# Altium PCB CM4-Main.PcbDoc (continued)
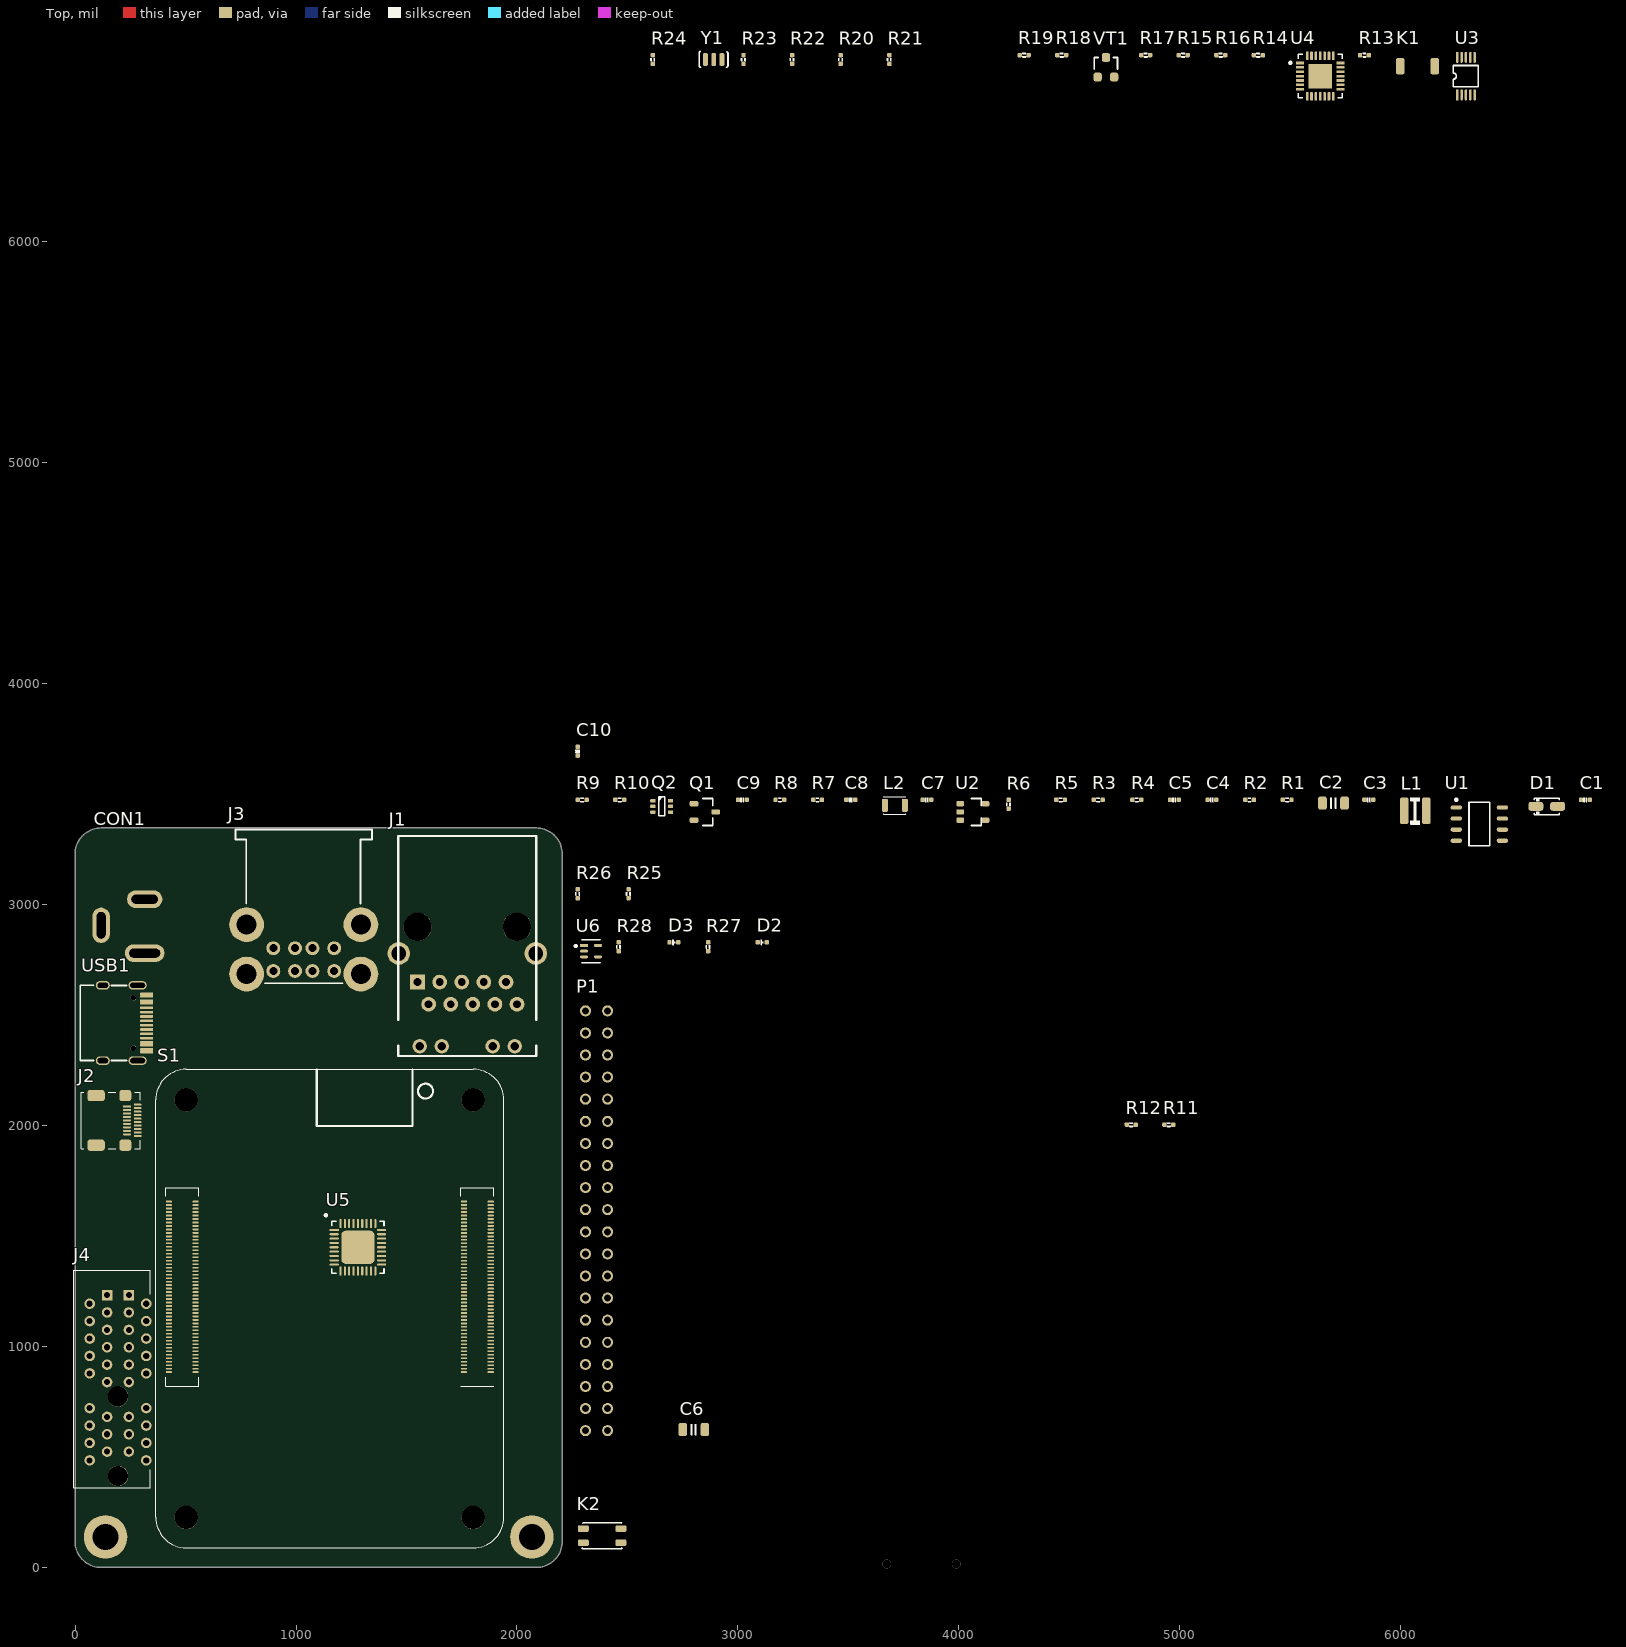
[diagram p0: Top view]
## Classes and differential pairs
differential pair class DIFF_USB2.0: USB_RPi
differential pair class DIFF_90Ohm_USB2.0: USB_RPi
differential pair class DIFF_PCIe: PCIE_CLK PCIE_RX PCIE_TX
differential pair class DIFF_MIPI: CAM0_C CAM0_D0 CAM0_D1 CAM1_C CAM1_D0 CAM1_D1 CAM1_D2 CAM1_D3
differential pair class DIFF_LAN_GB: TRD0 TRD1 TRD2 TRD3
differential pair class DIFF_HDMI: HDMI0_CLK HDMI0_TX0 HDMI0_TX1 HDMI0_TX2 HDMI1_CLK HDMI1_TX0 HDMI1_TX1 HDMI1_TX2
differential pair class DIFF_100Ohm_MIPI: CAM0_C CAM0_D0 CAM0_D1 CAM1_C CAM1_D0 CAM1_D1 CAM1_D2 CAM1_D3
differential pair class DIFF_100Ohm_HDMI: HDMI0_CLK HDMI0_TX0 HDMI0_TX1 HDMI0_TX2 HDMI1_CLK HDMI1_TX0 HDMI1_TX1 HDMI1_TX2
differential pair class DIFF_100Ohm_GBE: TRD0 TRD1 TRD2 TRD3
differential pair class DIFF_90Ohm_PCIe: PCIE_CLK PCIE_RX PCIE_TX
net class USB2.0_480Mbps: USB2_N USB_RPi_N USB_RPi_P
net class PCIe_5Gbps: PCIE_CLK_N PCIE_CLK_P PCIE_RX_N PCIE_RX_P PCIE_TX_N PCIE_TX_P
net class MIPI_1Gbps: CAM0_C_N CAM0_C_P CAM0_D0_N CAM0_D0_P CAM0_D1_N CAM0_D1_P CAM1_C_N CAM1_C_P CAM1_D0_N CAM1_D0_P CAM1_D1_N CAM1_D1_P CAM1_D2_N CAM1_D2_P CAM1_D3_N CAM1_D3_P
net class HDMI_18Gbps: HDMI0_CLK_N HDMI0_CLK_P HDMI0_TX0_N HDMI0_TX0_P HDMI0_TX1_N HDMI0_TX1_P HDMI0_TX2_N HDMI0_TX2_P HDMI1_CLK_P HDMI1_TX0_N HDMI1_TX1_N HDMI1_TX2_N
net class GBE_1Gbps: TRD0_P TRD1_N TRD1_P TRD2_N TRD2_P TRD3_N TRD3_P
differential pair USB_RPi: +USB_RPi_P -USB_RPi_N
differential pair TRD3: +TRD3_P -TRD3_N
differential pair TRD2: +TRD2_P -TRD2_N
differential pair TRD1: +TRD1_P -TRD1_N
differential pair TRD0: +TRD0_P -TRD0_N
differential pair PCIE_TX: +PCIE_TX_P -PCIE_TX_N
differential pair PCIE_RX: +PCIE_RX_P -PCIE_RX_N
differential pair PCIE_CLK: +PCIE_CLK_P -PCIE_CLK_N
differential pair HDMI0_TX2: +HDMI0_TX2_P -HDMI0_TX2_N
differential pair HDMI0_TX1: +HDMI0_TX1_P -HDMI0_TX1_N
differential pair HDMI0_TX0: +HDMI0_TX0_P -HDMI0_TX0_N
differential pair HDMI0_CLK: +HDMI0_CLK_P -HDMI0_CLK_N
differential pair CAM1_D3: +CAM1_D3_P -CAM1_D3_N
differential pair CAM1_D2: +CAM1_D2_P -CAM1_D2_N
differential pair CAM1_D1: +CAM1_D1_P -CAM1_D1_N
differential pair CAM1_D0: +CAM1_D0_P -CAM1_D0_N
differential pair CAM1_C: +CAM1_C_P -CAM1_C_N
differential pair CAM0_D1: +CAM0_D1_P -CAM0_D1_N
differential pair CAM0_D0: +CAM0_D0_P -CAM0_D0_N
differential pair CAM0_C: +CAM0_C_P -CAM0_C_N

## Components (designator, comment, footprint, x,y, rotation, side; value= is the part's Value field where it differs from the comment)
C1 "0.1uF" CAP_0402 6835,3475 r0 top value=0.1u
C2 "100uF" 1206-CAP 5695,3460 r0 top value=0.1u
C3 "0.1uF" CAP_0402 5855,3475 r0 top value=0.1u
C4 "0.1uF" CAP_0402 5145,3475 r0 top value=0.1u
C5 "0.1uF" CAP_0402 4975,3475 r0 top value=0.1u
C6 "100uF" 1206-CAP 2800,625 r0 top value=0.1u
C7 "10uF" CAP_0402 3855,3475 r0 top value=0.1u
C8 "10uF" CAP_0402 3510,3475 r0 top value=0.1u
C9 "10uF" CAP_0402 3020,3475 r0 top value=0.1u
C10 "10uF" CAP_0402 2275,3695 r90 top value=0.1u
CON1 "PowerJack_2.5" KLD_0202 315,3320.28 r270 top
D1 "MBR140SFT1G" DIOM2717X10N 6660,3445 r0 top
D2 "color?" LED_0402_GREEN 3110,2830 r0 top
D3 "color?" LED_0402_RED 2710,2830 r0 top
J1 "WE_7499110124" GE-SOCKET 1775,2629.92 r0 top
J2 "Micro-HDMI" "MICRO HDMI" 283.23,2024.25 r270 top
J3 "USBx2" USBx2 1035,2910 r180 top
J4 "Amphenol 10018784" PCIE-1X-Connector 194.21,775.04 r270 top
K1 "TACT 2P" ButtonTACT_3x4x2_180H 6075,6795 r0 top value=3x4
K2 "TACT 4P" ButtonTACT_3.5*3.55_90 2385,145 r0 top value=3.4x3.5
L1 "CD32" IND_CD32 6065,3425 r0 top value=22uH
L2 "2.2uH" 2520-L 3710,3450 r0 top
P1 "HDR2x20_2.54" HDR2X20_2.54_180 2310,2520 r0 top
Q1 "AO3415A" SOT23-3 2850,3420 r0 top
Q2 "BCM856BS" SOT363-6 2655,3445 r0 top
R1 "47K" RES_0402 5485,3475 r0 top value=22R
R2 "100K" RES_0402 5315,3475 r0 top value=22R
R3 "50K" RES_0402 4630,3475 r0 top value=22R
R4 "100K" RES_0402 4805,3475 r0 top value=22R
R5 "9K" RES_0402 4460,3475 r0 top value=22R
R6 "100K" RES_0402 4225,3455 r90 top value=22R
R7 "30K/1%" RES_0402 3360,3475 r0 top value=22R
R8 "6.8K/1%" RES_0402 3190,3475 r0 top value=22R
R9 "330R" RES_0402 2295,3475 r0 top value=22R
R10 "330R" RES_0402 2465,3475 r0 top value=22R
R11 "10K/1%" RES_0402 4950,2005 r0 top value=22R
R12 "10K/1%" RES_0402 4780,2005 r0 top value=22R
R13 "0R" RES_0402 5835,6845 r0 top value=22R
R14 "0R" RES_0402 5355,6845 r0 top value=22R
R15 "2K" RES_0402 5015,6845 r0 top value=22R
R16 "2K" RES_0402 5185,6845 r0 top value=22R
R17 "1K" RES_0402 4845,6845 r0 top value=22R
R18 "10K" RES_0402 4465,6845 r0 top value=22R
R19 "10K" RES_0402 4295,6845 r0 top value=22R
R20 "20K" RES_0402 3465,6825 r90 top value=22R
R21 "200R" RES_0402 3685,6825 r90 top value=22R
R22 "36K" RES_0402 3245,6825 r90 top value=22R
R23 "36K" RES_0402 3025,6825 r90 top value=22R
R24 "36K" RES_0402 2615,6825 r90 top value=22R
R25 "36K" RES_0402 2505,3050 r90 top value=22R
R26 "12K" RES_0402 2275,3050 r90 top value=22R
R27 "1K" RES_0402 2865,2810 r90 top value=22R
R28 "1K" RES_0402 2460,2810 r90 top value=22R
S1 "Raspberry Pi Compute Module 4" CM4-DF40HC(3.0)-100DS-0.4v_3mm_1.5mm 1152.91,1172.4 r0 top
TF1 "TF" TF-SOCKET 3526.39,112 r270 bottom
U1 "MP1584" SO-8 6355,3365 r0 top
U2 "RT8059" SOT23-5 4065,3420 r0 top
U3 "FSUSB42MUX" MSOP-10 6255,6665 r0 top
U4 "CP2102" QFN-28 5635,6750 r0 top value=Value
U5 "USB2514BT-I-M2" QFN-36 1280,1450 r0 top
U6 "74LVC1G07SE-7" SOT353-5 2335,2790 r0 top
USB1 "Type-C" Type-C-TOP 225,2465 r180 top
VT1 "S8050" SMT_TRIODE_NPN 4665,6790 r0 top
Y1 "24MHz" 晶振-3P 2890,6825 r0 top

## Footprints (in the part's own frame and the unit in brackets; to place one, negate y for a bottom-side part, rotate by r counter-clockwise, add the part's x,y. Pads: shape width x height; smd on the part's side, far side on the other; paste and mask are expansions set on the pad)
1206-CAP [mm]
  rrect50% 1x1.5 smd: 1(-1.27,0) 2(1.27,0)
  silkscreen extent -0.3,-0.61 0.3,0.61, body extent -1.5,-0.75 1.5,0.75, height 1.5
2520-L [mm]
  rrect50% 0.7x1.5 smd: 1(-1.15,0) 2(1.15,0)
  silkscreen extent -1.25,-1 1.25,1, body extent -1,-0.6 1,0.6, height 0.92
ButtonTACT_3.5*3.55_90 [mil]
  rrect50% 50x30 smd: 1(-85,32) 2(-85,-32) 3(85,32) 4(85,-32)
  silkscreen extent -91,-59 91,59, body extent -90,-55 91,85, height 56
ButtonTACT_3x4x2_180H [mil]
  round 0 hole 28: 0(0,-35) 0(0,35)
  rrect50% 40x74 smd: 1(-78,0) 2(78,0)
  body extent -79,-49 79,49, height 63
CAP_0402 [mil]
  rrect50% 20x20 smd: 1(-20,0) 2(20,0)
  silkscreen extent -6,-9 6,9, body extent -20,-10 20,10, height 20
CM4-DF40HC(3.0)-100DS-0.4v_3mm_1.5mm [mm] "DF40HC(3.0)-100DS-0.4v by Amornthep Phunsin"
  round 2.7 hole 2.7: 0(-16.5,-24) 0(-16.5,24) 0(16.5,-24) 0(16.5,24)
  rrect50% 0.7x0.2 smd: 1(18.5,-7.3) 2(15.42,-7.3) 3(18.5,-6.9) 4(15.42,-6.9) 5(18.5,-6.5) 6(15.42,-6.5) 7(18.5,-6.1) 8(15.42,-6.1) 9(18.5,-5.7) 10(15.42,-5.7) 11(18.5,-5.3) 12(15.42,-5.3) 13(18.5,-4.9) 14(15.42,-4.9) 15(18.5,-4.5) 16(15.42,-4.5) 17(18.5,-4.1) 18(15.42,-4.1) 19(18.5,-3.7) 20(15.42,-3.7) 21(18.5,-3.3) 22(15.42,-3.3) 23(18.5,-2.9) 24(15.42,-2.9) 25(18.5,-2.5) 26(15.42,-2.5) 27(18.5,-2.1) 28(15.42,-2.1) 29(18.5,-1.7) 30(15.42,-1.7) 31(18.5,-1.3) 32(15.42,-1.3) 33(18.5,-0.9) 34(15.42,-0.9) 35(18.5,-0.5) 36(15.42,-0.5) 37(18.5,-0.1) 38(15.42,-0.1) 39(18.5,0.3) 40(15.42,0.3) 41(18.5,0.7) 42(15.42,0.7) 43(18.5,1.1) 44(15.42,1.1) 45(18.5,1.5) 46(15.42,1.5) 47(18.5,1.9) 48(15.42,1.9) 49(18.5,2.3) 50(15.42,2.3) 51(18.5,2.7) 52(15.42,2.7) 53(18.5,3.1) 54(15.42,3.1) 55(18.5,3.5) 56(15.42,3.5) 57(18.5,3.9) 58(15.42,3.9) 59(18.5,4.3) 60(15.42,4.3) 61(18.5,4.7) 62(15.42,4.7) 63(18.5,5.1) 64(15.42,5.1) 65(18.5,5.5) 66(15.42,5.5) 67(18.5,5.9) 68(15.42,5.9) 69(18.5,6.3) 70(15.42,6.3) 71(18.5,6.7) 72(15.42,6.7) 73(18.5,7.1) 74(15.42,7.1) 75(18.5,7.5) 76(15.42,7.5) 77(18.5,7.9) 78(15.42,7.9) 79(18.5,8.3) 80(15.42,8.3) 81(18.5,8.7) 82(15.42,8.7) 83(18.5,9.1) 84(15.42,9.1) 85(18.5,9.5) 86(15.42,9.5) 87(18.5,9.9) 88(15.42,9.9) 89(18.5,10.3) 90(15.42,10.3) 91(18.5,10.7) 92(15.42,10.7) 93(18.5,11.1) 94(15.42,11.1) 95(18.5,11.5) 96(15.42,11.5) 97(18.5,11.9) 98(15.42,11.9) 99(18.5,12.3) 100(15.42,12.3) 101(-15.42,-7.3) 102(-18.5,-7.3) 103(-15.42,-6.9) 104(-18.5,-6.9) 105(-15.42,-6.5) 106(-18.5,-6.5) 107(-15.42,-6.1) 108(-18.5,-6.1) 109(-15.42,-5.7) 110(-18.5,-5.7) 111(-15.42,-5.3) 112(-18.5,-5.3) 113(-15.42,-4.9) 114(-18.5,-4.9) 115(-15.42,-4.5) 116(-18.5,-4.5) 117(-15.42,-4.1) 118(-18.5,-4.1) 119(-15.42,-3.7) 120(-18.5,-3.7) 121(-15.42,-3.3) 122(-18.5,-3.3) 123(-15.42,-2.9) 124(-18.5,-2.9) 125(-15.42,-2.5) 126(-18.5,-2.5) 127(-15.42,-2.1) 128(-18.5,-2.1) 129(-15.42,-1.7) 130(-18.5,-1.7) 131(-15.42,-1.3) 132(-18.5,-1.3) 133(-15.42,-0.9) 134(-18.5,-0.9) 135(-15.42,-0.5) 136(-18.5,-0.5) 137(-15.42,-0.1) 138(-18.5,-0.1) 139(-15.42,0.3) 140(-18.5,0.3) 141(-15.42,0.7) 142(-18.5,0.7) 143(-15.42,1.1) 144(-18.5,1.1) 145(-15.42,1.5) 146(-18.5,1.5) 147(-15.42,1.9) 148(-18.5,1.9) 149(-15.42,2.3) 150(-18.5,2.3) 151(-15.42,2.7) 152(-18.5,2.7) 153(-15.42,3.1) 154(-18.5,3.1) 155(-15.42,3.5) 156(-18.5,3.5) 157(-15.42,3.9) 158(-18.5,3.9) 159(-15.42,4.3) 160(-18.5,4.3) 161(-15.42,4.7) 162(-18.5,4.7) 163(-15.42,5.1) 164(-18.5,5.1) 165(-15.42,5.5) 166(-18.5,5.5) 167(-15.42,5.9) 168(-18.5,5.9) 169(-15.42,6.3) 170(-18.5,6.3) 171(-15.42,6.7) 172(-18.5,6.7) 173(-15.42,7.1) 174(-18.5,7.1) 175(-15.42,7.5) 176(-18.5,7.5) 177(-15.42,7.9) 178(-18.5,7.9) 179(-15.42,8.3) 180(-18.5,8.3) 181(-15.42,8.7) 182(-18.5,8.7) 183(-15.42,9.1) 184(-18.5,9.1) 185(-15.42,9.5) 186(-18.5,9.5) 187(-15.42,9.9) 188(-18.5,9.9) 189(-15.42,10.3) 190(-18.5,10.3) 191(-15.42,10.7) 192(-18.5,10.7) 193(-15.42,11.1) 194(-18.5,11.1) 195(-15.42,11.5) 196(-18.5,11.5) 197(-15.42,11.9) 198(-18.5,11.9) 199(-15.42,12.3) 200(-18.5,12.3)
  silkscreen extent -20,-27.5 20,27.5, body extent -20,-27.5 20,27.5, height 6.65
DIOM2717X10N [mm] "Molded Diode, 2-Leads, Body 2.70x1.65mm, IPC Medium Density"
  rrect50% 1.7x1 smd: A(1.25,0) K(-1.25,0)
  silkscreen extent -1.45,-0.95 1.45,0.95, body extent -1.95,-0.9 1.95,0.9, height 1.18
GE-SOCKET [mm] "WE-RJ45 LAN Transformer, THT"
  rect 1.7x1.7 hole 0.89: 1(-5.715,0.51)
  round 1.7 hole 0.89: 2(-4.445,-2.03) 3(-3.175,0.51) 4(-1.905,-2.03) 5(-0.635,0.51) 6(0.635,-2.03) 7(1.905,0.51) 8(3.175,-2.03) 9(4.445,0.51) 10(5.715,-2.03)
  round 1.65 hole 1.02: 11(-5.469,-6.86) 12(-2.929,-6.86) 13(2.921,-6.86) 14(5.461,-6.86)
  round 2.6 hole 1.7: S(-7.878,3.81) S(7.878,3.81)
  round 3.25 hole 3.25 unplated paste+0: ""(-5.715,6.86) ""(5.715,6.86)
  silkscreen extent -7.94,-8 7.94,17.3, body extent -8.2,-7.73 8.2,17.58, height 13.35
HDR2X20_2.54_180 [mil]
  round 50 hole 32: 1(0,0) 2(100,0) 3(0,-100) 4(100,-100) 5(0,-200) 6(100,-200) 7(0,-300) 8(100,-300) 9(0,-400) 10(100,-400) 11(0,-500) 12(100,-500) 13(0,-600) 14(100,-600) 15(0,-700) 16(100,-700) 17(0,-800) 18(100,-800) 19(0,-900) 20(100,-900) 21(0,-1000) 22(100,-1000) 23(0,-1100) 24(100,-1100) 25(0,-1200) 26(100,-1200) 27(0,-1300) 28(100,-1300) 29(0,-1400) 30(100,-1400) 31(0,-1500) 32(100,-1500) 33(0,-1600) 34(100,-1600) 35(0,-1700) 36(100,-1700) 37(0,-1800) 38(100,-1800) 39(0,-1900) 40(100,-1900)
  body extent -50,-1950 150,50, height 335
IND_CD32 [mil]
  rrect50% 40x120 smd: 1(-50,0) 2(50,0)
  silkscreen extent -20,-60 20,60, body extent -68,-59 68,59, height 83
KLD_0202 [mil]
  oval 80x180 hole 40 slot 140 at 90 deg: 1(539.37,0)
  oval 80x160 hole 40 slot 120 at 90 deg: 2(295.28,0)
  oval 160x80 hole 40 slot 120 at 0 deg: 3(413.39,-196.85)
  body extent -9,-213 562,173, height 433
LED_0402_GREEN [mil]
  rrect50% 20x20 smd: 1(-20,0) 2(20,0)
  silkscreen extent -6,-10 6,10, body extent -20,-10 20,10, height 18
LED_0402_RED [mil]
  rrect50% 20x20 smd: 1(-20,0) 2(20,0)
  silkscreen extent -6,-10 6,10, body extent -20,-10 20,10, height 18
"MICRO HDMI" [mm]
  rrect50% 0.23x0.85 smd: 1(1.8,0) 3(1.4,0) 5(1,0) 7(0.6,0) 9(0.2,0) 11(-0.2,0) 13(-0.6,0) 15(-1,0) 17(-1.4,0) 19(-1.8,0)
  rrect50% 0.23x0.889 smd: 2(1.6,-1.225) 4(1.2,-1.225) 6(0.8,-1.225) 8(0.4,-1.225) 10(0,-1.225) 12(-0.4,-1.225) 14(-0.8,-1.225) 16(-1.2,-1.225) 18(-1.6,-1.225)
  rrect50% 1.3x1.38 smd: S1(-2.85,-1.415) S2(2.85,-1.415)
  rrect50% 1.3x2 smd: S3(-2.85,-4.775) S4(2.85,-4.775)
  silkscreen extent -3.25,-6.48 3.25,0.33, body extent -3.25,-7.15 3.25,0.35, height 2.98
MSOP-10 [mil]
  rect 11x50 smd: 1(0,0)
  oval 11x50 smd: 2(19.69,0) 3(39.37,0) 4(59.06,0) 5(78.74,0) 6(78.74,170) 7(59.06,170) 8(39.37,170) 9(19.69,170) 10(0,170)
  silkscreen extent -18,37 95,133, body extent -19,-14 99,184, height 41
PCIE-1X-Connector [mm]
  rect 1.208x1.208 hole 0.7: A1(-11.65,1.25) B1(-11.65,-1.25)
  round 1.208 hole 0.7: A2(-10.65,3.25) A3(-9.65,1.25) A4(-8.65,3.25) A5(-7.65,1.25) A6(-6.65,3.25) A7(-5.65,1.25) A8(-4.65,3.25) A9(-3.65,1.25) A10(-2.65,3.25) A11(-1.65,1.25) A12(1.35,3.25) A13(2.35,1.25) A14(3.35,3.25) A15(4.35,1.25) A16(5.35,3.25) A17(6.35,1.25) A18(7.35,3.25) B2(-10.65,-3.25) B3(-9.65,-1.25) B4(-8.65,-3.25) B5(-7.65,-1.25) B6(-6.65,-3.25) B7(-5.65,-1.25) B8(-4.65,-3.25) B9(-3.65,-1.25) B10(-2.65,-3.25) B11(-1.65,-1.25) B12(1.35,-3.25) B13(2.35,-1.25) B14(3.35,-3.25) B15(4.35,-1.25) B16(5.35,-3.25) B17(6.35,-1.25) B18(7.35,-3.25)
  round 2.35 hole 2.35 unplated: ""(0,0) ""(9.15,0)
  silkscreen extent -14.5,-5.1 10.5,3.7, body extent -14.65,-5.1 10.35,3.7, height 11
QFN-28 [mil]
  rrect50% 38x12 smd mask+5: 1(-91.5,59.06) 2(-91.5,39.37) 3(-91.5,19.68) 4(-91.5,0) 5(-91.5,-19.68) 6(-91.5,-39.37) 7(-91.5,-59.06) 15(91.5,-59.06) 16(91.5,-39.37) 17(91.5,-19.68) 18(91.5,0) 19(91.5,19.68) 20(91.5,39.37) 21(91.5,59.06)
  rrect50% 12x38 smd mask+5: 8(-59.06,-91.5) 9(-39.37,-91.5) 10(-19.69,-91.5) 11(0,-91.5) 12(19.69,-91.5) 13(39.37,-91.5) 14(59.06,-91.5) 22(59.06,91.5) 23(39.37,91.5) 24(19.69,91.5) 25(0,91.5) 26(-19.69,91.5) 27(-39.37,91.5) 28(-59.06,91.5)
  rect 106.3x110.24 smd: 29(0,0)
  silkscreen extent -140,-98 98,98, body extent -98,-98 98,98, height 35
QFN-36 [mm]
  rect 1.059x0.239 smd paste+0 mask+0: 1(-2.727,2)
  rrect100% 1.059x0.239 smd paste+0 mask+0: 2(-2.727,1.5) 3(-2.727,1) 4(-2.727,0.5) 5(-2.727,0) 6(-2.727,-0.5) 7(-2.727,-1) 8(-2.727,-1.5) 9(-2.727,-2) 19(2.727,-2) 20(2.727,-1.5) 21(2.727,-1) 22(2.727,-0.5) 23(2.727,0) 24(2.727,0.5) 25(2.727,1) 26(2.727,1.5) 27(2.727,2)
  rrect100% 0.239x1.059 smd paste+0 mask+0: 10(-2,-2.727) 11(-1.5,-2.727) 12(-1,-2.727) 13(-0.5,-2.727) 14(0,-2.727) 15(0.5,-2.727) 16(1,-2.727) 17(1.5,-2.727) 18(2,-2.727) 28(2,2.727) 29(1.5,2.727) 30(1,2.727) 31(0.5,2.727) 32(0,2.727) 33(-0.5,2.727) 34(-1,2.727) 35(-1.5,2.727) 36(-2,2.727)
  rrect25% 3.8x3.8 smd paste-1000 mask+0: 37(0,0)
  silkscreen extent -3.81,-3 3,3.81, body extent -3.36,-3.36 3.36,3.36, height 0.25
RES_0402 [mil]
  rrect50% 20x20 smd: 1(-20,0) 2(20,0)
  silkscreen extent -6,-10 6,10, body extent -20,-10 20,10, height 14
SMT_TRIODE_NPN [mm] "Surface mount NPN transistor, package SOT-23"
  rrect50% 0.95x1 smd: 1(-0.95,-1.125) 2(0.95,-1.125) 3(0,1.125)
  silkscreen extent -1.33,-0.22 1.32,1.13, body extent -1.45,-1.4 1.45,1.4, height 1.3
SO-8 [mm]
  oval 1.3x0.5 smd: 1(-2.65,1.905) 2(-2.65,0.635) 3(-2.65,-0.635) 4(-2.65,-1.905) 5(2.65,-1.905) 6(2.65,-0.635) 7(2.65,0.635) 8(2.65,1.905)
  silkscreen extent -2.77,-2.5 1.2,2.93, body extent -2.89,-2.44 2.89,2.46, height 1.45
SOT23-3 [mm] "SOT23, 3-Leads, Body 3.1x3.0mm (max), Pitch 0.95mm, IPC Medium Density"
  rrect50% 1x0.6 smd: 1(-1.246,0.95) 2(-1.246,-0.95) 3(1.246,0)
  silkscreen extent -0.2,-1.55 0.9,1.55, body extent -1.3,-1.45 1.5,1.45, height 1.2
SOT23-5 [mm] "SOT23, 3-Leads, Body 3.1x3.0mm (max), Pitch 0.95mm, IPC Medium Density"
  rrect50% 0.889x0.6 smd: 1(-1.5,0.95) 2(-1.5,0) 3(-1.5,-0.95) 4(1.396,-0.95) 5(1.396,0.95)
  silkscreen extent -0.2,-1.55 0.9,1.55, body extent -1.48,-1.45 1.32,1.45, height 1.2
SOT353-5 [mm]
  rect 0.91x0.332 smd paste+0 mask+0: 1(-0.801,0.65)
  rrect100% 0.91x0.332 smd paste+0 mask+0: 2(-0.801,0) 3(-0.801,-0.65) 4(0.801,-0.65) 5(0.801,0.65)
  silkscreen extent -1.88,-1.33 1.05,1.33, body extent -1.36,-1.17 1.36,1.17, height 0.25
SOT363-6 [mil]
  rrect50% 24x16 smd: 1(-40,25.59) 2(-40,0) 3(-40,-25.59) 4(40,-25.59) 5(40,0) 6(40,25.59)
  silkscreen extent -14,-43 14,43, body extent -41,-39 41,39, height 37
TF-SOCKET [mm]
  oval 2x0.7 smd: 1(-8.331,-4.582) 2(-8.331,-5.682) 3(-8.331,-6.782) 4(-8.331,-7.882) 5(-8.331,-8.982) 6(-8.331,-10.082) 7(-8.331,-11.182) 8(-8.331,-12.282) 9(-8.331,-13.382)
  rrect50% 1.6x1.4 smd: 10(-7.577,-14.836) 10(-7.577,0.068)
  rrect50% 2.4x1.4 smd: 10(2.023,-14.836) 10(2.023,1.476)
  silkscreen extent -8.33,-14.15 6.15,0.84, body extent -8.87,-14.81 8.18,1.29, height 2.05
Type-C-TOP [mm]
  round 0.65 hole 0.65: 0(-0.98,2.89) 0(-0.98,-2.89)
  oval 1.6x1 hole 0.6 slot 1.2 at 0 deg: 1(2.52,4.325) 2(2.52,-4.325)
  oval 2.1x1 hole 0.6 slot 1.7 at 0 deg: 3(-1.48,-4.325) 4(-1.48,4.325)
  rrect50% 1.5x0.3 smd: A1(-2.52,-3.35) A4(-2.52,-2.55) A5(-2.52,-1.25) A6(-2.52,-0.25) A7(-2.52,0.25) A8(-2.52,1.25) A9(-2.52,2.55) A12(-2.52,3.35) B1(-2.52,3.05) B4(-2.52,2.25) B5(-2.52,1.75) B6(-2.52,0.75) B7(-2.52,-0.75) B8(-2.52,-1.75) B9(-2.52,-2.25) B12(-2.52,-3.05)
  silkscreen extent -0.22,-4.33 5.12,4.33, body extent -2.57,-4.48 5.18,4.48, height 3.26
USBx2 [mm]
  round 1.6 hole 0.92: 1A(-3.5,5.33) 1B(-3.5,2.71) 2A(-1,5.33) 2B(-1,2.71) 3A(1,5.33) 3B(1,2.71) 4A(3.5,5.33) 4B(3.5,2.71)
  round 4 hole 2.3: 9(-6.57,0) 10(6.57,0) 11(-6.57,5.68) 12(6.57,5.68)
  silkscreen extent -7.85,-10.95 7.85,6.73, body extent -7.85,-10.88 7.85,6.71, height 15.6
晶振-3P [mm] "贴片晶振"
  rrect50% 0.55x1.45 smd: 1(-0.95,0) 2(0,0) 3(0.95,0)
  silkscreen extent -1.65,-0.89 1.65,0.91, body extent -1.6,-0.89 1.65,0.89, height 0.7

## Part data
C1 C3 C4 C5 C7 C8 C9 C10: library part 电容-0402, "Capacitor"
C2 C6: library part 电容-1206, "Capacitor"
CON1: "DC Power Jack"
D1: "Rectifier Diode, Single, 40 V, 1 A, SOD-123FL, 2, 550 mV"
D2 D3: library part LED_0402, "LED", type=0402
J1: library part GE-SOCKET, "LAN-Transformer WE-RJ45LAN 10/100/1000 BaseT", Manufacturer="Wurth Elektronik", PartNumber=WE_7499110124, PartSymbol=WE_7499110124
J2: "Conn Micro HDMI RCP 19 POS 0.4mm Solder RA SMD 19 Terminal 1 Port Micro HDMI Embossed T/R", Package=None, Availability=Unavailable, MF=Molex, MP=0467650301, Price=None, SnapEDA_Link=https://www.snapeda.com/parts/0467650301/Molex/view-part/?ref=snap
J3: "Usb Conn, Dual Rcpt, 2.0, 2port, 8pos", Package=None, Availability=Good, MF="Global Connector Technology", MP=USB1035-GF-P-0-B-B, Price="0.42 USD", SnapEDA_Link=https://www.snapeda.com/parts/USB1035-GF-P-0-B-B/Global%20Connector%20Technology/view-part/?ref=snap
J4: library part PCIE-1X-Connector, "36 Position Female Connector Amphenol 10018784-10210TLF", Package=None, Availability=Unavailable, MF="Amphenol ICC", MP=10018784-10210TLF, Price=None, SnapEDA_Link=https://www.snapeda.com/parts/10018784-10210TLF/Amphenol%20FCI/view-part/520950/?ref=snap
K1: library part ButtonTACT_3x4x2_180, "Button", type="TACT 2P"
K2: library part ButtonTACT, "Button", type="TACT 4P"
L1: library part Ind_CD32, "Inductor", Specification="±5% 100mA", type=CD32
L2: library part 电感-2520, "磁珠"
P1: "Header"
Q1: "MOSFET", LatestRevisionDate=17-Jul-2002, LatestRevisionNote="Re-released for DXP Platform.", PackageDescription="TO, Flat Index; 3 In-Line, Axial Leads; Body Dia. 4.6mm; Lead Dia. 0.5 mm (max)", PackageReference=E3, PackageVersion=1995/1996, Published=8-Jun-2000, Publisher="Altium Limited"
Q2: "Transistor"
R1 R2 R3 R4 R5 R6 R7 R8 R9 R10 R11 R12 R13 R14 R15 R16 R17 R18 R19 R20 R21 R22 R23 R24 R25 R26 R27 R28: library part 电阻-0402, "Resistor"
S1: library part CM4, "Raspberry Pi Compute Module 4 by Amornthep Phunsin"
TF1: library part TF卡座, "8脚自弹"
U1: "电源芯片"
U2: "LDO"
U4: "USB转TTL", MFG #1="SILICON LABS", PART DESC="SINGLE-CHIP USB TO UART BRIDGE, QFN28, RoHS.", PART NUMBER=CP2102, RefDes=RefDes, type=DEV
USB1: library part USB-Type-C-TOP
VT1: library part SMT_TRIODE_NPN, "Surface mount NPN transistor, package SOT-23"
Y1: library part 晶振-3Pin, "村田贴片"

## Free pads (board coordinates)
  round 196.85 hole 118.11: ""(137.95,138.92) ""(2067.09,138.92)

## Via types
v1: diameter 39.37, hole 39.37, Top to Bottom, 2 vias

## Nets (pads, with @x,y where several pads share a name; then routed paths per layer and width w, separated by ;. In a path a pad name is that pad's centre, name@x,y a point inside that pad or via, vN(x,y) a via of type N, cw(c..) or ccw(c..) an arc to the next point about the centre after c; other vN are vias at no path point)
CAM0_C_N: S1.140
CAM0_C_P: S1.142
CAM0_D0_N: S1.128
CAM0_D0_P: S1.130
CAM0_D1_N: S1.134
CAM0_D1_P: S1.136
CAM1_C_N: S1.127
CAM1_C_P: S1.129
CAM1_D0_N: S1.115
CAM1_D0_P: S1.117
CAM1_D1_N: S1.121
CAM1_D1_P: S1.123
CAM1_D2_N: S1.133
CAM1_D2_P: S1.135
CAM1_D3_N: S1.139
CAM1_D3_P: S1.141
CM4_1V8: S1.88 S1.90
CM4_3V3: S1.78 S1.84 S1.86
CP_Rx: U4.25
CP_Tx: R21.1
GND: C2.1 C3.1 C4.1 C6.1 C7.1 C8.1 C9.1 C10.1 CON1.2 CON1.3 D1.A J1.S J2.4 J2.7 J2.10 J2.13 J2.16 J2.S1 J2.S2 J2.S3 J2.S4 J3.4A J3.4B J3.9 J3.10 J3.11 J3.12 J4.A4 J4.A12 J4.A15 J4.A18 J4.B4 J4.B7 J4.B13 J4.B16 J4.B18 K2.1 K2.3 P1.6 P1.9 P1.14 P1.20 P1.25 P1.30 P1.34 P1.39 R3.2 R4.2 R5.2 R6.2 R8.1 R11.1 R12.2 R16.2 R20.1 R22.2 R23.1 R24.1 R25.1 R26.1 S1.1 S1.2 S1.7 S1.8 S1.13 S1.14 S1.22 S1.23 S1.32 S1.33 S1.42 S1.43 S1.52 S1.53 S1.59 S1.60 S1.65 S1.66 S1.71 S1.74 S1.98 S1.107 S1.108 S1.113 S1.114 S1.119 S1.120 S1.125 S1.126 S1.131 S1.132 S1.137 S1.138 S1.144 S1.150 S1.155 S1.156 S1.161 S1.162 S1.167 S1.168 S1.173 S1.174 S1.179 S1.180 S1.185 S1.186 S1.191 S1.192 S1.197 S1.198 TF1.6 TF1.10 U1.5 U2.2 U3.5 U3.10 U4.3 U4.29 U5.37 USB1.1 USB1.2 USB1.3 USB1.4 USB1.A1 USB1.A12 USB1.B1 USB1.B12 VT1.2 Y1.2
GPHY_LED0_TC: R9.2
GPHY_LED1_TC: R10.2
GPIO00: P1.27
GPIO01: P1.28
GPIO02: P1.3 S1.58
GPIO03: P1.5 S1.56
GPIO04: P1.7 S1.54
GPIO05: P1.29 S1.34
GPIO06: P1.31 S1.30
GPIO07: P1.26 S1.37
GPIO08: P1.24 S1.39
GPIO09: P1.21 S1.40
GPIO10: P1.19 S1.44
GPIO11: P1.23 S1.38
GPIO12: P1.32 S1.31
GPIO13: P1.33 S1.28
GPIO14: P1.8 S1.55
GPIO15: P1.10 S1.51
GPIO16: P1.36 S1.29
GPIO17: P1.11 S1.50
GPIO18: P1.12 S1.49
GPIO19: P1.35 S1.26
GPIO20: P1.38 S1.27
GPIO21: P1.40 S1.25
GPIO22: P1.15 S1.46
GPIO23: P1.16 S1.47
GPIO24: P1.18 S1.45
GPIO25: P1.22 S1.41
GPIO26: P1.37 S1.24
GPIO27: P1.13 S1.48
HDMI0_CEC: J2.15
HDMI0_CLK_N: J2.14
HDMI0_CLK_P: J2.12
HDMI0_HPL: S1.153
HDMI0_SCL: J2.17 S1.200
HDMI0_SDA: J2.18 S1.199
HDMI0_TX0_N: S1.184
HDMI0_TX0_P: J2.9
HDMI0_TX1_N: J2.8
HDMI0_TX1_P: J2.6
HDMI0_TX2_N: J2.5 S1.172
HDMI0_TX2_P: J2.3
HDMI1_CLK_P: S1.164
HDMI1_TX0_N: S1.160
HDMI1_TX1_N: S1.154
HDMI1_TX2_N: S1.148
NetC1_1: C1.1 D1.K L1.1 U1.1
NetC1_2: C1.2 U1.8
NetC5_1: C5.1 R6.1
NetC5_2: C5.2 U1.3
NetD2_1: D2.1 R27.2
NetD2_2: D2.2 S1.21
NetD3_1: D3.1 R28.2
NetD3_2: D3.2 U6.4
NetJ1_12: J1.12 R9.1
NetJ1_14: J1.14 R10.1
NetK1_1: K1.1 R15.1 R19.1
NetL2_1: L2.1 U2.3
NetQ1_1: Q1.1 Q2.3 R12.1
NetQ2_2: Q2.2 Q2.5 Q2.6 R11.2
NetR1_1: R1.1 R5.1 U1.4
NetR2_2: R2.2 R3.1 U1.2
NetR4_1: R4.1 U1.6
NetR7_2: R7.2 R8.2 U2.5
NetR15_2: R15.2 R16.1 U3.2
NetR18_2: R18.2 U4.9
NetR19_2: R19.2 R20.2 VT1.1
NetR21_2: R21.2 U4.26
NetR22_1: R22.1 U5.28
NetR23_2: R23.2 U5.24
NetR24_2: R24.2 U5.22
NetR25_2: R25.2 U5.25
NetR26_2: R26.2 U5.35
NetS1_95: S1.95 U6.2
NetU5_32: U5.32 Y1.1
NetU5_33: U5.33 Y1.3
nEXTRST: S1.100 U5.26
nRPI_BOOT: R17.2 S1.93 VT1.3
PCIE_CLK_N: J4.A14 S1.112
PCIE_CLK_P: J4.A13 S1.110
PCIE_nREQ: J4.B12 S1.102
PCIE_nRST: J4.A11 S1.109
PCIE_RX_N: J4.A16 S1.118
PCIE_RX_P: J4.A17 S1.116
PCIE_TX_N: J4.B14 S1.124
PCIE_TX_P: J4.B15 S1.122
RST_N: K2.2 K2.4 S1.99
SD_CLK: S1.57 TF1.5
SD_CMD: S1.62 TF1.3
SD_DATA0: S1.63 TF1.7
SD_DATA1: S1.67 TF1.8
SD_DATA2: S1.69 TF1.1
SD_DATA3: S1.61 TF1.2
TRD0_N: J1.1
TRD0_P: J1.2 S1.12
TRD1_N: J1.3 S1.6
TRD1_P: J1.4 S1.4
TRD2_N: J1.7 S1.9
TRD2_P: J1.8 S1.11
TRD3_N: J1.9 S1.5
TRD3_P: J1.10 S1.3
USB-CP-DM: U4.5 USB1.B7
USB-CP-DP: U4.4 USB1.B6
USB_1_N: J3.2A U5.1
USB_1_P: J3.3A U5.2
USB_2_N: J3.2B U5.3
USB_2_P: J3.3B U5.4
USB_3_N: U5.6
USB_3_P: U5.7
USB_4_N: U5.8
USB_4_P: U5.9
USB_Dev_N: U3.8 USB1.A7
USB_Dev_P: U3.9 USB1.A6
USB_Hub_N: U3.6 U5.30
USB_Hub_P: U3.7 U5.31
USB_RPi_N: S1.103 U3.4
USB_RPi_P: S1.105 U3.3
VCC-3V3: C7.2 C10.2 J1.11 J1.13 L2.2 P1.1 P1.17 R7.1 R14.1 R27.1 R28.1 TF1.4 U3.1 U5.5 U5.10 U5.15 U5.23 U5.27 U5.29 U5.36 U6.5
VCC-5V: C4.2 C8.2 C9.2 J3.1A J3.1B K1.2 L1.2 P1.2 P1.4 Q1.2 Q2.4 R1.2 R17.1 S1.77 S1.79 S1.81 S1.83 S1.85 S1.87 U2.1 U2.4
VCC-12V: J4.A2 J4.A3 J4.B1 J4.B2 J4.B3 R13.2
VCC-PCIE-3V3: J4.A5 J4.A6 J4.A8 J4.A9 J4.A10 J4.B8 J4.B9 J4.B10 R14.2
VCC-USB: Q1.3 Q2.1
VIN: C2.2 C3.2 C6.2 CON1.1 R2.1 R13.1 U1.7
VUSB: R18.1 U4.7 U4.8 USB1.A4 USB1.A9 USB1.B4 USB1.B9
pads on no net: J1. J1.5 J1.6 J2.1 J2.2 J2.11 J2.19 J4. J4.A1 J4.A7 J4.B5 J4.B6 J4.B11 J4.B17 K1.0 S1.0 S1.10 S1.15 S1.16 S1.17 S1.18 S1.19 S1.20 S1.35 S1.36 S1.64 S1.68 S1.70 S1.72 S1.73 S1.75 S1.76 S1.80 S1.82 S1.89 S1.91 S1.92 S1.94 S1.96 S1.97 S1.101 S1.104 S1.106 S1.111 S1.143 S1.145 S1.146 S1.147 S1.149 S1.151 S1.152 S1.157 S1.158 S1.159 S1.163 S1.165 S1.166 S1.169 S1.170 S1.171 S1.175 S1.176 S1.177 S1.178 S1.181 S1.182 S1.183 S1.187 S1.188 S1.189 S1.190 S1.193 S1.194 S1.195 S1.196 TF1.9 U4.1 U4.2 U4.6 U4.10 U4.11 U4.12 U4.13 U4.14 U4.15 U4.16 U4.17 U4.18 U4.19 U4.20 U4.21 U4.22 U4.23 U4.24 U4.27 U4.28 U5.11 U5.12 U5.13 U5.14 U5.16 U5.17 U5.18 U5.19 U5.20 U5.21 U5.34 U6.1 U6.3 USB1.0 USB1.A5 USB1.A8 USB1.B5 USB1.B8
copper on no net:
  other v1: 3673.31,16.61 3987.48,16.61

## Polygon pours and split planes (outlines as drawn)
no net on GND1 (split plane): 2095.32,3327.2 2103.81,3326.09 2112.16,3324.23 2120.32,3321.66 2128.23,3318.39 2135.82,3314.43 2143.04,3309.84 2149.83,3304.63 2156.14,3298.84 2161.92,3292.53 2167.13,3285.74 2171.73,3278.53 2175.68,3270.93 2178.96,3263.03 2181.53,3254.86 2183.38,3246.51 2184.5,3238.02 2184.85,3230.11 2184.78,3229.47 2184.78,119.24 2184.85,118.6 2184.5,110.69 2183.38,102.2 2181.53,93.85 2178.96,85.68 2175.68,77.78 2171.73,70.19 2167.13,62.97 2161.92,56.18 2156.14,49.87 2149.83,44.09 2143.04,38.88 2135.82,34.28 2128.23,30.33 2120.32,27.05 2112.16,24.48 2103.81,22.62 2095.32,21.51 2087.41,21.16 2086.77,21.22 118.27,21.22 117.63,21.16 109.72,21.51 101.23,22.62 92.88,24.48 84.71,27.05 76.81,30.33 69.21,34.28 62,38.88 55.21,44.09 48.9,49.87 43.11,56.18 37.9,62.97 33.31,70.19 29.35,77.78 26.08,85.68 23.51,93.85 21.65,102.2 20.54,110.69 20.19,118.6 20.25,119.24 20.25,3229.47 20.19,3230.11 20.54,3238.02 21.65,3246.51 23.51,3254.86 26.08,3263.03 29.35,3270.93 33.31,3278.53 37.9,3285.74 43.11,3292.53 48.9,3298.84 55.21,3304.63 62,3309.84 69.21,3314.43 76.81,3318.39 84.71,3321.66 92.88,3324.23 101.23,3326.09 109.72,3327.2 117.63,3327.55 118.27,3327.49 2086.77,3327.49 2087.41,3327.55
no net on GND2 (split plane): 2095.32,3327.2 2103.81,3326.09 2112.16,3324.23 2120.32,3321.66 2128.23,3318.39 2135.82,3314.43 2143.04,3309.84 2149.83,3304.63 2156.14,3298.84 2161.92,3292.53 2167.13,3285.74 2171.73,3278.53 2175.68,3270.93 2178.96,3263.03 2181.53,3254.86 2183.38,3246.51 2184.5,3238.02 2184.85,3230.11 2184.78,3229.47 2184.78,119.24 2184.85,118.6 2184.5,110.69 2183.38,102.2 2181.53,93.85 2178.96,85.68 2175.68,77.78 2171.73,70.19 2167.13,62.97 2161.92,56.18 2156.14,49.87 2149.83,44.09 2143.04,38.88 2135.82,34.28 2128.23,30.33 2120.32,27.05 2112.16,24.48 2103.81,22.62 2095.32,21.51 2087.41,21.16 2086.77,21.22 118.27,21.22 117.63,21.16 109.72,21.51 101.23,22.62 92.88,24.48 84.71,27.05 76.81,30.33 69.21,34.28 62,38.88 55.21,44.09 48.9,49.87 43.11,56.18 37.9,62.97 33.31,70.19 29.35,77.78 26.08,85.68 23.51,93.85 21.65,102.2 20.54,110.69 20.19,118.6 20.25,119.24 20.25,3229.47 20.19,3230.11 20.54,3238.02 21.65,3246.51 23.51,3254.86 26.08,3263.03 29.35,3270.93 33.31,3278.53 37.9,3285.74 43.11,3292.53 48.9,3298.84 55.21,3304.63 62,3309.84 69.21,3314.43 76.81,3318.39 84.71,3321.66 92.88,3324.23 101.23,3326.09 109.72,3327.2 117.63,3327.55 118.27,3327.49 2086.77,3327.49 2087.41,3327.55

## Silkscreen, mask and mechanical layers (free items; w line width, h text height)
Mechanical 1:
  the board outline again, w10

## Text inside footprints (layer, text, board x,y; h text height)
S1: Mechanical 4 "PCIe" at 444.25,1052.3 h27.56 r270; Mechanical 4 "USB" at 487.56,1009.64 h27.56 r270; Mechanical 4 "CAM1" at 487.56,1201.91 h27.56 r270; Mechanical 4 "HDMI1" at 440.32,1406.96 h27.56 r270; Mechanical 4 "ETH" at 1802.52,985.37 h27.56 r270; Mechanical 4 "TV" at 483.62,1064.11 h27.56 r270; Mechanical 4 "HDMI0" at 444.25,1580.85 h27.56 r270; Mechanical 4 "CAM0" at 444.25,1203.23 h27.56 r270; Mechanical 4 "5V" at 1822.2,1562.17 h27.56 r270; Mechanical 4 "DSI0" at 487.56,1446 h27.56 r270; Mechanical 4 "DS1" at 463.94,1686.16 h27.56 r270; Mechanical 4 "1V8" at 1774.96,1614.32 h27.56 r270; Mechanical 4 "3V3" at 1774.96,1511.96 h27.56 r270; Mechanical 4 "SD" at 1798.58,1447.66 h27.56 r270; Mechanical 4 "GPIO" at 1802.52,1196.99 h27.56 r270; Mechanical 4 "Wireless / Cutout" at 1116.23,2081.85 h35.43